# KiCad board Computer Board V2.1.kicad_pcb (continued)
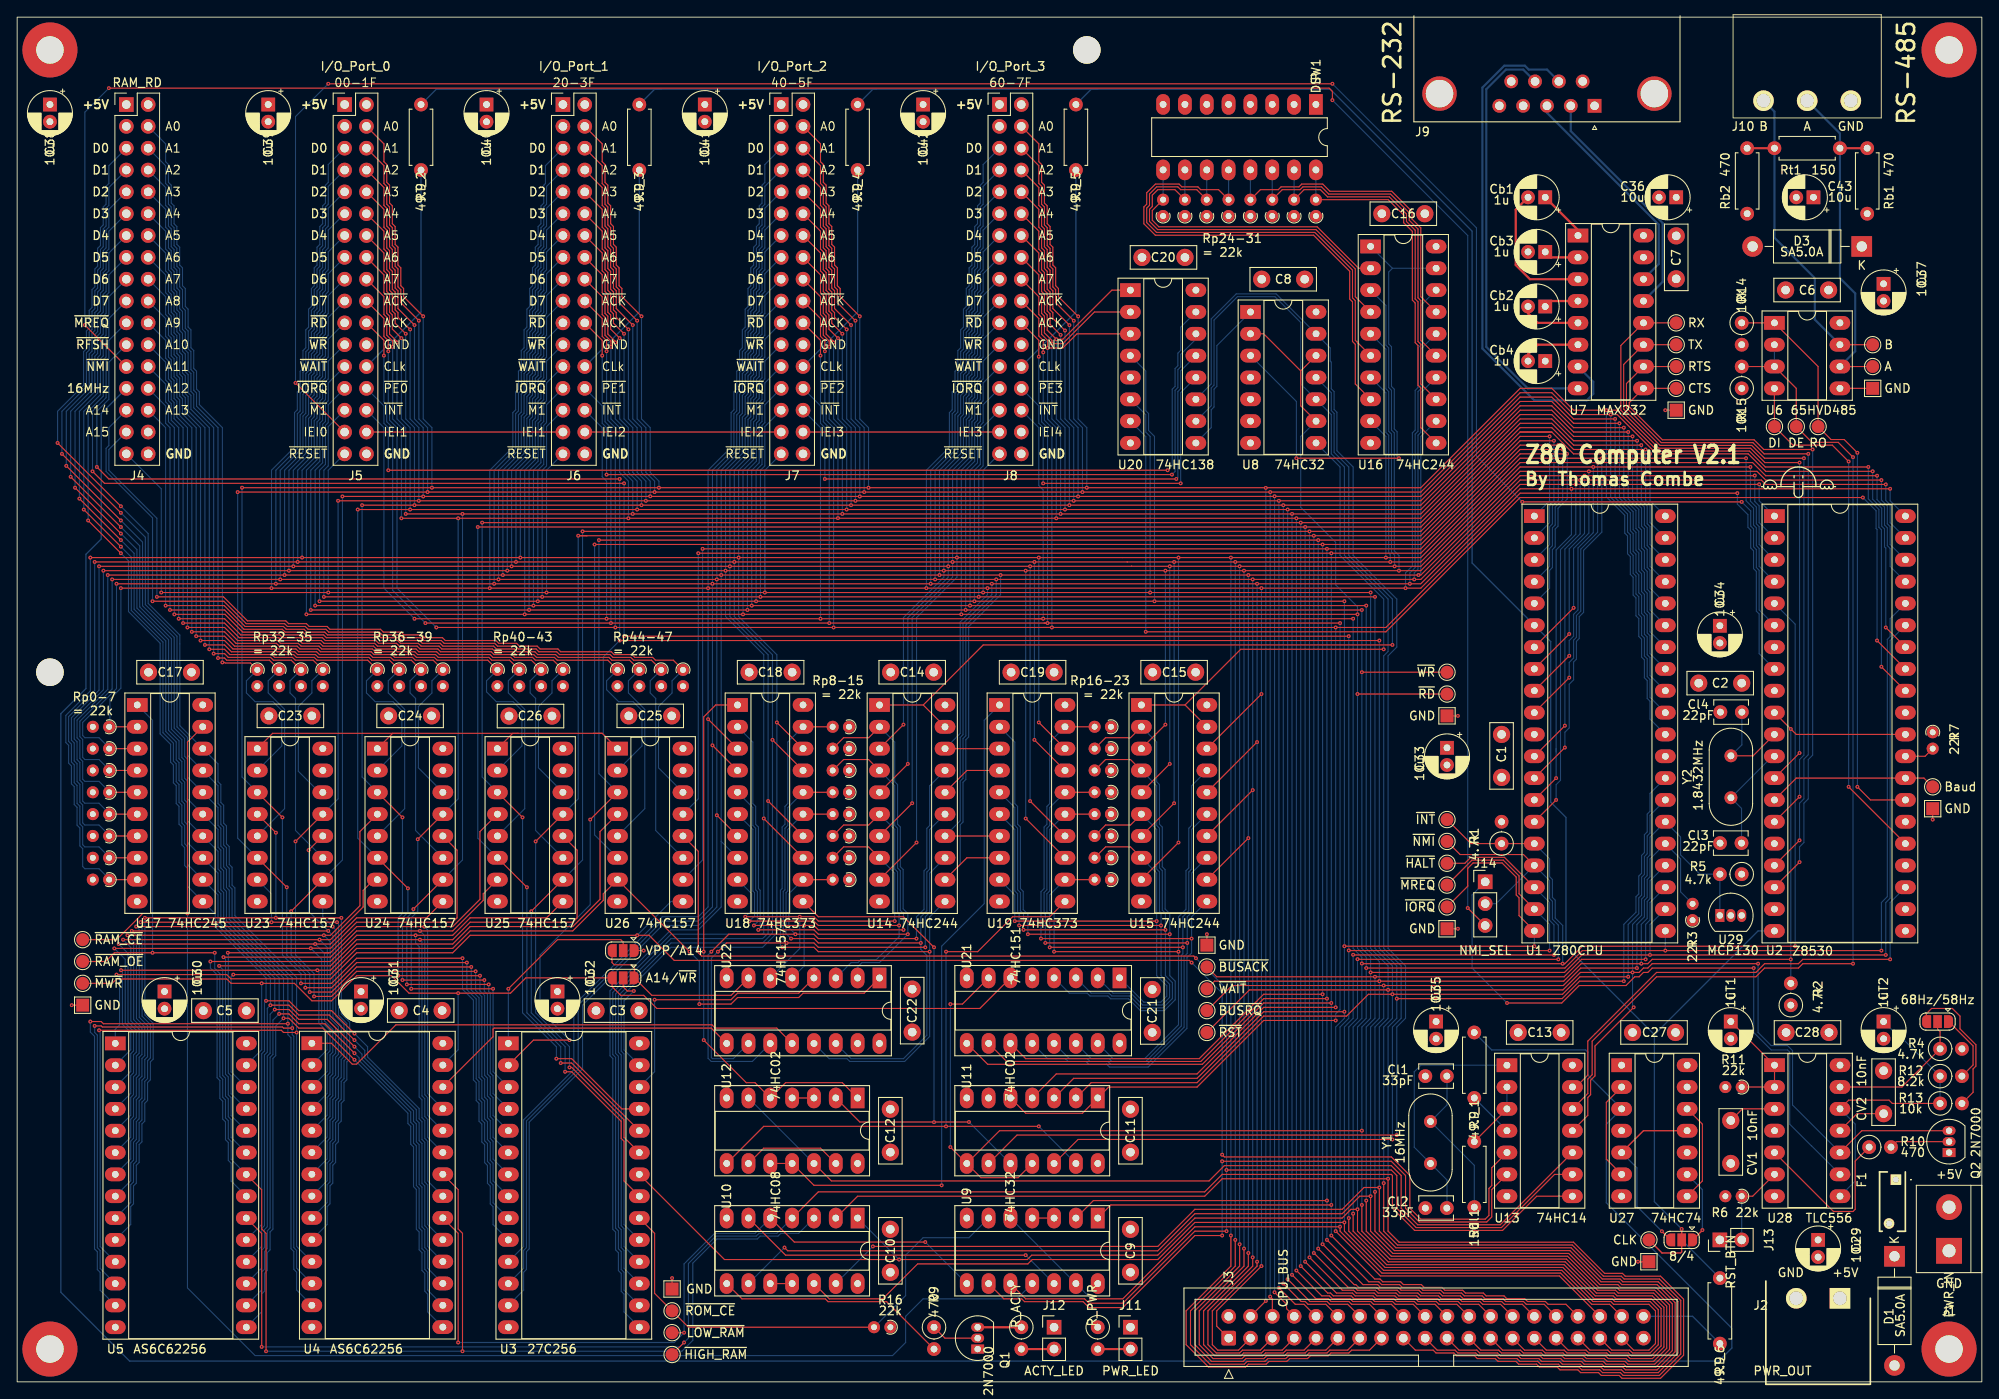
[diagram p0: board, top side]
## Routing (per net, layer and track width the routed paths; a pad name or vN(x,y) marks a point on that pad's centre or on a via; arc(x,y) is an arc through that point) (continued)
/RAM_D5: length 175.3
  Top w0.127: v1(12.07,97.92) v1(7.24,102.74) ; v1(29.97,43.31) 31.62,43.31 32.77,42.16 36.07,42.16 v1(39.24,38.99)
  Bottom w0.127: v1(7.24,102.74) 7.24,112.9 9.36,115.02 9.36,119.16 9.69,119.49 9.69,121.56 10.01,121.89 10.01,123.97 10.34,124.3 10.34,126.37 10.67,126.7 10.67,128.78 J4.15 ; v1(12.07,97.92) 13.6,96.38 13.6,89.87 17.29,86.19 17.29,75.65 18.5,74.43 18.5,72.36 18.83,72.03 18.83,69.95 19.16,69.62 19.16,67.55 19.49,67.22 19.49,65.14 19.81,64.82 19.81,62.74 U17.13 23.37,59.18 23.37,57.1 23.7,56.78 23.7,53.27 29.97,46.99 v1(29.97,43.31) 29.43,42.76 29.43,38.22 29.1,37.89 29.1,18.03 28.77,17.71 28.77,15.63 28.45,15.3 28.45,13.22 U5.17 ; v1(39.24,38.99) 40.12,38.11 40.12,37.51 46.12,31.52 46.12,30.32 46.44,29.99 46.44,27.92 46.77,27.59 46.77,22.97 47.1,22.64 47.1,18.03 47.43,17.7 47.43,15.62 47.75,15.3 47.75,13.22 U4.17
/RAM_D6: length 168
  Top w0.127: v1(29.46,43.81) 31.62,43.81 32.77,42.67 36.32,42.67 v1(39.24,39.75) ; v1(7.75,101.47) v1(12.07,97.15)
  Bottom w0.127: v1(7.75,101.47) 7.75,112.9 9.69,114.84 9.69,119.02 10.01,119.35 10.01,121.43 10.34,121.76 10.34,123.83 10.67,124.16 10.67,126.24 J4.17 ; v1(39.24,39.75) 40.45,38.55 40.45,37.65 46.44,31.65 46.44,30.46 46.77,30.13 46.77,28.05 47.1,27.72 47.1,23.11 47.43,22.78 47.43,18.16 47.75,17.84 47.75,15.76 U4.18 ; v1(12.07,97.15) 13.28,95.94 13.28,89.74 16.96,86.06 16.96,75.51 18.18,74.3 18.18,72.22 18.5,71.89 18.5,69.82 18.83,69.49 18.83,67.41 19.16,67.08 19.16,65.01 19.49,64.68 19.49,62.6 19.81,62.28 19.81,60.2 U17.12 23.37,56.64 23.37,53.09 29.46,46.99 v1(29.46,43.81) 29.1,43.45 29.1,38.35 28.77,38.03 28.77,18.17 28.45,17.84 28.45,15.76 U5.18
/RAM_D7: length 160.7
  Top w0.127: v1(39.24,40.51) 36.58,43.18 32.77,43.18 31.62,44.32 v1(28.96,44.32) ; v1(12.07,96.39) v1(8.26,100.2)
  Bottom w0.127: v1(12.07,96.39) 12.95,95.51 12.95,89.6 16.63,85.92 16.63,75.38 17.85,74.16 17.85,72.09 18.18,71.76 18.18,69.68 18.5,69.35 18.5,67.28 18.83,66.95 18.83,64.87 19.16,64.54 19.16,62.47 19.49,62.14 19.49,60.06 19.81,59.74 19.81,57.66 U17.11 23.04,54.43 23.04,52.91 28.96,46.99 v1(28.96,44.32) 28.77,44.14 28.77,38.49 28.45,38.16 28.45,18.3 U5.19 ; U4.19 47.75,18.3 47.75,22.92 47.43,23.24 47.43,27.86 47.1,28.19 47.1,30.26 46.77,30.59 46.77,31.79 40.77,37.79 40.77,38.98 v1(39.24,40.51) ; v1(8.26,100.2) 8.26,112.9 10.01,114.66 10.01,118.89 10.34,119.22 10.34,121.29 10.67,121.62 10.67,123.7 J4.19
/RESET: length 109.2
  Top w0.127: U13.10 172.56,18.27 162.96,18.27 161.04,20.19 161.04,24 159.89,25.15 140.46,25.15 138.68,23.37 94.74,23.37 U12.12
  Bottom w0.127: U12.12 U12.6
/RO: length 68.9
  Top w0.127: R14.1 U6.1 209.55,118.11 TP34.1 211.06,109.62 212.58,109.62 v1(214.12,108.08) ; v1(214.12,69.22) 215.65,67.69 U2.27
  Bottom w0.127: v1(214.12,69.22) v1(214.12,108.08)
/ROM_A13: length 30.5
  Top w0.127: v1(74.17,44.45) 83.06,44.45 83.82,45.21 90.94,45.21 U22.4
  Bottom w0.127: U3.26 74.17,36.07 v1(74.17,44.45)
/ROM_A14: length 20.4
  Top w0.127: JP2.3 69.22,48.77 69.47,48.51 71.5,48.51 71.81,48.2 71.81,46.99 73.85,44.96 83.07,44.96 U22.7
/RTS_232: length 60.7
  Bottom w0.254: J9.7 178.01,152.65 175.88,152.65 175.43,153.11 173.04,153.11 170.49,150.56 170.49,120.21 176.52,114.17 182.63,114.17 183.39,114.93 183.39,116.33 U7.7
/RX: length 76.3
  Top w0.127: U2.13 v1(207.39,73.15) ; TP6.1 U7.12 186.6,120.56 186.6,113.03 191.02,108.6 201.69,108.6 203.36,106.93 v1(207.39,106.93)
  Bottom w0.127: v1(207.39,106.93) v1(207.39,73.15)
/Sync_~{NMI}: length 282.5
  Top w0.127: v1(10.67,150.5) 152.65,150.5 153.03,150.11 v1(153.03,149.1) ; v1(168.78,55.12) J14.3 ; J4.25 v1(7.87,122.94)
  Bottom w0.127: v1(153.03,149.1) 168.78,133.35 v1(168.78,55.12) ; v1(7.87,122.94) 7.87,147.7 v1(10.67,150.5)
/TX: length 79.3
  Top w0.127: U2.15 v1(207.39,68.07) ; v1(207.9,107.44) 203.32,107.44 201.83,108.93 191.16,108.93 186.93,113.17 186.93,118.34 U7.11 TP5.1
  Bottom w0.127: v1(207.9,107.44) 207.9,72.9 207.39,72.39 v1(207.39,68.07)
/Vid_A0: length 86.7
  Top w0.127: Rp_32.1 27.14,83.62 24.2,83.62 24.13,83.69 v1(23.88,83.69)
  Bottom w0.127: U23.2 30.79,73.97 30.79,78.1 29.76,79.12 27.69,79.12 26.67,80.14 26.67,81.55 Rp_32.1 ; v1(23.88,83.69) 23.88,111 21.2,113.68 21.2,115.16 20.87,115.49 20.87,117.57 20.54,117.89 20.54,119.97 20.21,120.3 20.21,122.38 19.89,122.7 19.89,124.78 19.56,125.11 19.56,127.19 19.23,127.51 19.23,129.59 18.91,129.92 18.91,132 18.58,132.32 18.58,134.4 18.25,134.73 18.25,136.8 17.93,137.13 17.93,139.21 17.6,139.54 17.6,141.61 17.27,141.94 17.27,144.02 J4.4
/Vid_A1: length 92.3
  Top w0.127: Rp_33.1 29.35,83.95 24.38,83.95 24.13,84.2 v1(23.37,84.2)
  Bottom w0.127: U23.5 31.12,66.67 31.12,78.23 29.21,80.14 29.21,81.55 Rp_33.1 ; v1(23.37,84.2) 23.37,111 20.87,113.5 20.87,115.03 20.54,115.35 20.54,117.43 20.21,117.76 20.21,119.84 19.89,120.16 19.89,122.24 19.56,122.57 19.56,124.65 19.23,124.97 19.23,127.05 18.91,127.38 18.91,129.46 18.58,129.78 18.58,131.86 18.25,132.19 18.25,134.26 17.93,134.59 17.93,136.67 17.6,137 17.6,139.07 17.27,139.4 17.27,141.48 J4.6
/Vid_A2: length 94.3
  Top w0.127: v1(22.86,84.71) 24.13,84.71 24.57,84.27 29.49,84.27 29.82,83.95 31.89,83.95 Rp_34.1
  Bottom w0.127: U23.11 32.38,64.13 32.38,79.5 31.75,80.14 31.75,81.55 Rp_34.1 ; v1(22.86,84.71) 22.86,111 20.54,113.32 20.54,114.89 20.21,115.22 20.21,117.3 19.89,117.62 19.89,119.7 19.56,120.03 19.56,122.11 19.23,122.43 19.23,124.51 18.91,124.84 18.91,126.92 18.58,127.24 18.58,129.32 18.25,129.65 18.25,131.72 17.93,132.05 17.93,134.13 17.6,134.46 17.6,136.53 17.27,136.86 17.27,138.94 J4.8
/Vid_A3: length 86.8
  Top w0.127: Rp_35.1 34.43,83.95 32.36,83.95 32.03,84.27 29.95,84.27 29.62,84.6 24.75,84.6 24.13,85.22 v1(22.35,85.22)
  Bottom w0.127: Rp_35.1 34.29,81.55 34.29,80.14 32.71,78.56 32.71,71.03 35.16,68.58 ; v1(22.35,85.22) 22.35,111 20.21,113.13 20.21,114.76 19.89,115.08 19.89,117.16 19.56,117.49 19.56,119.57 19.23,119.89 19.23,121.97 18.91,122.3 18.91,124.38 18.58,124.7 18.58,126.78 18.25,127.11 18.25,129.18 17.93,129.51 17.93,131.59 17.6,131.92 17.6,133.99 17.27,134.32 17.27,136.4 J4.10
/Vid_A4: length 90.5
  Top w0.127: v1(21.84,85.72) 24.13,85.72 24.93,84.93 29.76,84.93 30.09,84.6 32.16,84.6 32.49,84.27 34.57,84.27 34.9,83.95 40.78,83.95 Rp_36.1
  Bottom w0.127: U24.2 44.76,73.97 44.76,78.1 43.73,79.12 41.66,79.12 40.64,80.14 40.64,81.55 Rp_36.1 ; v1(21.84,85.72) 21.84,111 19.89,112.95 19.89,114.62 19.56,114.95 19.56,117.03 19.23,117.35 19.23,119.43 18.91,119.76 18.91,121.84 18.58,122.16 18.58,124.24 18.25,124.57 18.25,126.64 17.93,126.97 17.93,129.05 17.6,129.38 17.6,131.45 17.27,131.78 17.27,133.86 J4.12
/Vid_A5: length 96.1
  Top w0.127: Rp_37.1 43.32,83.95 41.25,83.95 40.92,84.27 35.03,84.27 34.7,84.6 32.63,84.6 32.3,84.93 30.22,84.93 29.89,85.25 25.11,85.25 24.13,86.23 v1(21.34,86.23)
  Bottom w0.127: J4.14 17.27,131.32 17.27,129.24 17.6,128.91 17.6,126.84 17.93,126.51 17.93,124.43 18.25,124.1 18.25,122.03 18.58,121.7 18.58,119.62 18.91,119.3 18.91,117.22 19.23,116.89 19.23,114.81 19.56,114.49 19.56,112.77 21.34,111 v1(21.34,86.23) ; Rp_37.1 43.18,81.55 43.18,80.14 45.09,78.23 45.09,66.67 U24.5
/Vid_A6: length 98.1
  Top w0.127: v1(20.83,86.74) 24.13,86.74 25.29,85.58 30.03,85.58 30.36,85.25 32.43,85.25 32.76,84.93 34.84,84.93 35.17,84.6 41.05,84.6 41.38,84.27 43.46,84.27 43.79,83.95 45.86,83.95 Rp_38.1
  Bottom w0.127: J4.16 17.27,128.78 17.27,126.7 17.6,126.37 17.6,124.3 17.93,123.97 17.93,121.89 18.25,121.56 18.25,119.49 18.58,119.16 18.58,117.08 18.91,116.76 18.91,114.68 19.23,114.35 19.23,112.59 20.83,111 v1(20.83,86.74) ; U24.11 46.35,64.13 46.35,79.5 45.72,80.14 45.72,81.55 Rp_38.1
/Vid_A7: length 90.8
  Top w0.127: Rp_39.1 48.4,83.95 46.33,83.95 46,84.27 43.92,84.27 43.59,84.6 41.52,84.6 41.19,84.93 35.3,84.93 34.97,85.25 32.9,85.25 32.57,85.58 30.49,85.58 30.17,85.91 25.47,85.91 24.13,87.25 v1(20.32,87.25)
  Bottom w0.127: v1(20.32,87.25) 20.32,111 18.91,112.41 18.91,114.22 18.58,114.54 18.58,116.62 18.25,116.95 18.25,119.02 17.93,119.35 17.93,121.43 17.6,121.76 17.6,123.83 17.27,124.16 17.27,126.24 J4.18 ; Rp_39.1 48.26,81.55 48.26,80.14 46.68,78.56 46.68,71.43 U24.14
/Vid_A8: length 94.2
  Top w0.127: v1(19.81,87.76) 24.13,87.76 25.65,86.24 30.3,86.24 30.63,85.91 32.71,85.91 33.03,85.58 35.11,85.58 35.44,85.25 41.32,85.25 41.65,84.93 43.73,84.93 44.06,84.6 46.13,84.6 46.46,84.27 48.54,84.27 48.87,83.95 54.75,83.95 Rp_40.1
  Bottom w0.127: J4.20 17.27,123.7 17.27,121.62 17.6,121.29 17.6,119.22 17.93,118.89 17.93,116.81 18.25,116.48 18.25,114.41 18.58,114.08 18.58,112.23 19.81,111 v1(19.81,87.76) ; Rp_40.1 54.61,81.55 54.61,80.26 55.75,79.12 57.7,79.12 58.73,78.1 58.73,73.97 U25.2
/Vid_A9: length 99.9
  Top w0.127: Rp_41.1 57.29,83.95 55.22,83.95 54.89,84.27 49,84.27 48.67,84.6 46.6,84.6 46.27,84.93 44.19,84.93 43.86,85.25 41.79,85.25 41.46,85.58 35.57,85.58 35.25,85.91 33.17,85.91 32.84,86.24 30.76,86.24 30.44,86.56 25.83,86.56 24.13,88.26 v1(19.3,88.26)
  Bottom w0.127: J4.22 17.27,121.16 17.27,119.08 17.6,118.75 17.6,116.68 17.93,116.35 17.93,114.27 18.25,113.94 18.25,112.05 19.3,111 v1(19.3,88.26) ; Rp_41.1 57.15,81.55 57.15,80.14 59.05,78.23 59.05,66.67 U25.5
/Vid_A10: length 101.9
  Top w0.127: Rp_42.1 59.83,83.95 57.76,83.95 57.43,84.27 55.35,84.27 55.02,84.6 49.14,84.6 48.81,84.93 46.73,84.93 46.4,85.25 44.33,85.25 44,85.58 41.92,85.58 41.6,85.91 35.71,85.91 35.38,86.24 33.3,86.24 32.98,86.56 30.9,86.56 30.57,86.89 26.01,86.89 24.13,88.77 v1(18.8,88.77)
  Bottom w0.127: Rp_42.1 59.69,81.55 59.69,80.14 60.33,79.5 60.33,64.13 U25.11 ; v1(18.8,88.77) 18.8,111 17.93,111.87 17.93,113.81 17.6,114.14 17.6,116.21 17.27,116.54 17.27,118.62 J4.24
/Vid_A11: length 94.6
  Top w0.127: Rp_43.1 62.37,83.95 60.3,83.95 59.97,84.27 57.89,84.27 57.56,84.6 55.49,84.6 55.16,84.93 49.27,84.93 48.94,85.25 46.87,85.25 46.54,85.58 44.46,85.58 44.14,85.91 42.06,85.91 41.73,86.24 35.84,86.24 35.52,86.56 33.44,86.56 33.11,86.89 31.03,86.89 30.71,87.22 26.25,87.22 24.18,89.28 v1(18.29,89.28)
  Bottom w0.127: J4.26 17.27,116.08 17.27,114 17.6,113.67 17.6,111.69 18.29,111 v1(18.29,89.28) ; U25.14 60.65,71.43 60.65,78.56 62.23,80.14 62.23,81.55 Rp_43.1
/Vid_A12: length 97.9
  Top w0.127: Rp_44.1 68.72,83.95 62.84,83.95 62.51,84.27 60.43,84.27 60.1,84.6 58.03,84.6 57.7,84.93 55.62,84.93 55.29,85.25 49.41,85.25 49.08,85.58 47,85.58 46.68,85.91 44.6,85.91 44.27,86.24 42.19,86.24 41.87,86.56 35.98,86.56 35.65,86.89 33.57,86.89 33.25,87.22 31.17,87.22 30.84,87.54 26.38,87.54 24.14,89.79 v1(17.78,89.79)
  Bottom w0.127: Rp_44.1 68.58,81.55 68.58,80.52 69.98,79.12 71.67,79.12 72.7,78.1 72.7,73.97 U26.2 ; v1(17.78,89.79) 17.78,111 17.27,111.51 17.27,113.54 J4.28
/Vid_A13: length 103.7
  Top w0.127: v1(17.27,90.3) 24.09,90.3 26.52,87.87 30.98,87.87 31.31,87.54 33.38,87.54 33.71,87.22 35.79,87.22 36.11,86.89 42,86.89 42.33,86.56 44.41,86.56 44.73,86.24 46.81,86.24 47.14,85.91 49.22,85.91 49.54,85.58 55.43,85.58 55.76,85.25 57.83,85.25 58.16,84.93 60.24,84.93 60.57,84.6 62.64,84.6 62.97,84.27 68.86,84.27 69.19,83.95 71.26,83.95 Rp_45.1
  Bottom w0.127: J4.30 17.27,111 v1(17.27,90.3) ; Rp_45.1 71.12,81.55 71.12,80.14 73.03,78.23 73.03,66.67 U26.5
/Vid_A14: length 111.9
  Top w0.127: Rp_46.1 73.8,83.95 71.73,83.95 71.4,84.27 69.32,84.27 68.99,84.6 63.11,84.6 62.78,84.93 60.7,84.93 60.37,85.25 58.3,85.25 57.97,85.58 55.89,85.58 55.57,85.91 49.68,85.91 49.35,86.24 47.27,86.24 46.95,86.56 44.87,86.56 44.54,86.89 42.46,86.89 42.14,87.22 36.25,87.22 35.92,87.54 33.85,87.54 33.52,87.87 31.44,87.87 31.11,88.2 26.65,88.2 24.05,90.8 v1(15.75,90.8)
  Bottom w0.127: v1(15.75,90.8) 15.75,100.5 10.34,105.91 10.34,108.59 10.67,108.92 10.67,111 J4.29 ; U26.11 74.3,64.13 74.3,79.5 73.66,80.14 73.66,81.55 Rp_46.1
/Vid_A15: length 103.7
  Top w0.127: Rp_47.1 76.34,83.95 74.27,83.95 73.94,84.27 71.86,84.27 71.53,84.6 69.46,84.6 69.13,84.93 63.24,84.93 62.91,85.25 60.84,85.25 60.51,85.58 58.43,85.58 58.11,85.91 56.03,85.91 55.7,86.24 49.81,86.24 49.49,86.56 47.41,86.56 47.08,86.89 45,86.89 44.68,87.22 42.6,87.22 42.27,87.54 36.39,87.54 36.06,87.87 33.98,87.87 33.65,88.2 31.58,88.2 31.25,88.53 26.79,88.53 24,91.31 v1(16.26,91.31)
  Bottom w0.127: U26.14 74.62,71.43 74.62,78.56 76.2,80.14 76.2,81.55 Rp_47.1 ; v1(16.26,91.31) 16.26,100.46 10.67,106.04 10.67,108.46 J4.31
/VPP/A14: length 23.2
  Top w0.127: v1(57.15,45.72) 62.87,51.44 70.23,51.44 70.52,51.15 JP2.2
  Bottom w0.127: v1(57.15,45.72) U3.1
/~{4MHz}: length 11.6
  Top w0.127: U27.8 196.09,23.37 196.09,29.97 U27.12
/~{8MHz}: length 11.6
  Top w0.127: U27.6 184.91,25.91 184.91,32.51 U27.2
/~{ACK}: length 424.7
  Top w0.127: v1(153.42,43.56) 145.03,43.56 137.29,35.81 120.9,35.81 U11.4 ; J7.20 93.47,123.7 93.47,121.62 93.98,121.11 v1(93.98,119.89) ; v1(120.4,87.76) 119.38,87.76 ; 119.38,87.76 v1(153.42,87.76) 159.26,87.76 174.88,103.38 v1(200.15,103.38) ; 119.38,87.76 v1(48.77,87.76) ; v1(43.18,119.89) 43.18,121.11 42.67,121.62 42.67,123.7 J5.20 ; J8.20 118.87,123.7 118.87,121.67 119.39,121.15 v1(119.39,119.76) ; v1(68.58,119.89) 68.58,121.11 68.07,121.62 68.07,123.7 J6.20
  Bottom w0.127: v1(93.98,119.89) 93.98,113.95 94.13,113.81 94.13,111.87 95,111 v1(95,87.76) ; v1(119.39,119.76) 119.39,113.95 119.53,113.81 119.53,111.87 120.4,111 v1(120.4,87.76) ; v1(153.42,87.76) v1(153.42,43.56) ; v1(200.15,103.38) 200.15,102.11 201.38,100.88 201.38,99.41 201.71,99.08 201.71,97 202.04,96.68 202.04,94.6 202.37,94.27 202.37,89.65 202.69,89.33 202.69,84.71 204.47,82.93 ; v1(69.6,87.76) 69.6,111 68.73,111.87 68.73,113.81 68.58,113.95 v1(68.58,119.89) ; v1(48.77,87.76) 44.2,92.33 44.2,111 43.33,111.87 43.33,113.81 43.18,113.95 v1(43.18,119.89)
/~{BankSW_RD}: length 101
  Top w0.127: 105.42,78.73 112.41,85.72 v1(160.02,85.72) ; 105.42,78.73 U14.1 ; 105.42,78.73 U14.19
  Bottom w0.127: U8.11 152.91,115.06 152.91,112.98 153.24,112.66 153.24,108.13 154.94,106.43 154.94,96.14 160.02,91.06 v1(160.02,85.72)
/~{BankSW}: length 173.1
  Top w0.127: U11.9 116.33,28.7 v1(160.53,28.7)
  Bottom w0.127: v1(160.53,28.7) 160.53,41.28 161.54,42.29 161.54,48.39 159.51,50.42 159.51,84.45 160.53,85.47 160.53,91.06 155.45,96.14 155.45,106.43 153.56,108.31 153.56,112.79 153.24,113.12 153.24,115.2 152.91,115.52 152.91,118.62 152.78,118.74 152.78,120.27 U8.13 146.49,126.56 141.85,126.56 138.94,123.65 138.94,116.08 U20.11
/~{BUSACK}: length 156
  Top w0.127: v1(156.97,21.08) 156.97,17.53 159.89,14.61 180.4,14.61 184.03,10.98 186.11,10.98 186.43,10.65 190.54,10.65 192.26,8.93 192.26,3.77 190.54,2.05 187.41,2.05 187.08,2.38 185.01,2.38 184.68,2.7 182.6,2.7 182.27,3.03 180.2,3.03 179.87,3.36 177.79,3.36 177.46,3.68 175.39,3.68 J3.27 ; v1(189.48,49.15) 182.03,49.15 179.99,47.12 v1(157.99,47.12) 139.57,47.12 TP12.1
  Bottom w0.127: v1(157.99,47.12) 157.99,42.29 156.97,41.28 v1(156.97,21.08) ; v1(189.48,49.15) 189.48,53.21 189.99,53.72 189.99,55.75 U1.23
/~{BUSRQ}: length 175.7
  Top w0.127: TP11.1 141.35,46.1 v1(159,46.1) 179.9,46.1 181.94,48.13 v1(188.47,48.13) ; J3.23 170.31,3.68 172.38,3.68 172.71,3.36 174.79,3.36 175.12,3.03 177.19,3.03 177.52,2.7 179.6,2.7 179.93,2.38 182,2.38 182.33,2.05 184.41,2.05 184.73,1.72 186.81,1.72 187.14,1.39 190.81,1.39 192.92,3.5 192.92,9.2 190.81,11.31 186.7,11.31 186.38,11.63 184.3,11.63 180.67,15.26 160.25,15.26 157.99,17.53 v1(157.99,22.1)
  Bottom w0.127: R3.2 193.55,57 193.55,60.84 U1.25 189.99,60.83 189.99,58.75 189.67,58.42 189.67,56.35 189.34,56.02 189.34,54.08 188.47,53.21 v1(188.47,48.13) ; v1(157.99,22.1) 157.99,41.28 159,42.29 v1(159,46.1)
/~{CPU_RAM_CE}: length 186.3
  Top w0.127: U17.19 19.81,74.42 v1(19.81,54.48) 14.6,54.48 11.56,51.44 TP17.1
  Bottom w0.127: U9.11 116.33,9.65 105.41,9.65 103.38,7.62 103.38,4.57 101.85,3.05 27.69,3.05 19.81,10.92 v1(19.81,54.48)
/~{CTSA}: length 82.8
  Top w0.127: v1(208.91,108.46) 203.23,108.46 202.1,109.58 191.43,109.58 187.58,113.44 187.58,113.92 U7.9 TP3.1 ; U2.18 v1(207.39,60.45)
  Bottom w0.127: v1(207.39,60.45) 207.39,62.23 207.9,62.74 207.9,67.31 208.41,67.82 208.41,72.39 208.91,72.9 v1(208.91,108.46)
/~{DIP_RD}: length 57.5
  Top w0.127: v1(148.84,107.44) v1(160.78,107.44)
  Bottom w0.127: 160.02,129.54 159.59,129.1 159.59,120.74 159.91,120.41 159.91,115.8 160.24,115.47 160.24,110.85 160.57,110.52 160.57,107.66 v1(160.78,107.44) ; 160.02,129.54 U16.1 ; 160.02,129.54 U16.19 ; U8.3 148.84,114.05 v1(148.84,107.44)
/~{DIP}: length 17.9
  Bottom w0.127: U20.9 138.94,111 138.94,113.08 139.27,113.41 139.27,115.49 139.59,115.81 139.59,120.54 U8.1
/~{ESCC}: length 137.1
  Top w0.127: v1(131.32,87.25) 159.26,87.25 174.88,102.87 v1(214.76,102.87) ; 219.71,82.93 v1(216.41,86.23)
  Bottom w0.127: v1(131.32,87.25) 131.32,109.97 U20.7 ; v1(214.76,102.87) 216.3,101.33 216.3,99.27 216.41,99.16 v1(216.41,86.23)
/~{HALT}: length 191.5
  Top w0.127: v1(178.82,49.66) 155.47,49.66 v1(155.45,49.68) ; TP13.1 168.45,60.32 169.14,61.01 173.05,61.01 U1.18 ; J3.37 188.09,3.68 189.87,3.68 190.63,4.44 190.63,8.25 189.87,9.02 185.76,9.02 185.43,9.34 183.35,9.34 179.72,12.97 158.99,12.97 154.43,17.53 v1(154.43,18.54) 137.03,18.54 132.72,14.22 118.11,14.22 117.6,13.72 104.78,13.72 100.71,9.65 94.49,9.65 U10.12
  Bottom w0.127: v1(154.43,18.54) 154.43,41.28 155.45,42.29 v1(155.45,49.68) ; v1(178.82,49.66) 178.82,53.17 178.31,53.68 178.31,55.76 U1.18
/~{HIGH_RAM_CE}: length 190.2
  Top w0.127: v1(77.6,4.57) TP24.1 ; U5.20 28.45,17.26 v1(28.45,4.06) ; U10.4 93.22,22.1 138.18,22.1 140.21,24.13 159.89,24.13 160.02,24 160.02,20.19 162.6,17.61 172.83,17.61 176.81,21.59 U13.8
  Bottom w0.127: U10.4 88.39,17.27 86.31,17.27 85.99,16.94 81.29,16.94 78.11,13.76 78.11,5.08 v1(77.6,4.57) 77.09,4.06 v1(28.45,4.06)
/~{INT}: length 458.2
  Top w0.127: U1.16 R1.1 169.16,62.61 TP9.1 ; v1(155.45,88.77) 118.49,88.77 ; 118.49,88.77 v1(46.23,88.77) ; 118.49,88.77 v1(119.38,88.77) ; J3.33 183.01,3.68 185.08,3.68 185.41,3.36 187.49,3.36 187.82,3.03 190.14,3.03 191.28,4.17 191.28,8.53 190.14,9.67 186.03,9.67 185.7,10 183.62,10 179.99,13.63 159.35,13.63 155.45,17.53 v1(155.45,19.56) ; v1(156.46,48.66) 156.48,48.64 v1(179.83,48.64) 180.09,48.64 182.12,50.67 v1(206.88,50.67)
  Bottom w0.127: J5.30 42.67,111 42.67,92.33 v1(46.23,88.77) ; v1(93.47,88.77) 93.47,111 J7.30 ; v1(206.88,50.67) 206.88,88.14 U2.5 ; v1(155.45,88.77) 155.45,50.42 156.46,49.4 v1(156.46,48.66) 156.46,42.29 155.45,41.28 v1(155.45,19.56) ; J8.30 118.87,111 118.87,104.27 119.38,103.76 v1(119.38,88.77) ; U1.16 178.31,60.84 178.31,58.76 178.64,58.43 178.64,56.36 178.96,56.03 178.96,53.95 179.83,53.08 v1(179.83,48.64) ; v1(68.58,88.77) 68.58,104.77 68.09,105.26 68.09,105.28 68.07,105.3 68.07,111 J6.30
/~{IORQ}: length 442.5
  Top w0.127: U11.3 122.94,35.31 137.29,35.31 145.03,43.05 v1(154.43,43.05) ; TP29.1 168.78,57.66 168.78,59.74 169.41,60.36 172.78,60.36 174.43,58.72 174.43,56.64 174.75,56.31 174.75,54.23 U1.20 ; v1(154.43,50.67) v1(176.53,50.67) ; v1(35.18,90.8) v1(85.98,90.8) v1(111.38,90.8) v1(154.43,90.8) ; J3.36 179.45,12.32 158.62,12.32 v1(153.42,17.53)
  Bottom w0.127: J7.27 87,113.66 87,111.59 86.67,111.26 86.67,106.73 85.98,106.04 v1(85.98,90.8) ; v1(132.33,90.8) 132.33,109.98 131.65,110.67 131.65,112.64 131.32,112.97 131.32,117.59 U20.4 ; J6.27 61.6,113.66 61.6,111.59 61.27,111.26 61.27,106.73 60.58,106.04 v1(60.58,90.8) ; v1(154.43,90.8) v1(154.43,50.67) v1(154.43,43.05) 154.43,42.29 153.42,41.28 v1(153.42,17.53) ; v1(111.38,90.8) 111.38,106.04 112.07,106.73 112.07,111.26 112.4,111.59 112.4,113.66 J8.27 ; v1(35.18,90.8) 35.18,106.04 35.87,106.73 35.87,111.26 36.2,111.59 36.2,113.66 J5.27 ; v1(176.53,50.67) U1.20
/~{LOW_RAM_CE}: length 89.7
  Top w0.127: v1(77.6,5.72) TP23.1 ; v1(51.31,4.57) 51.31,17.28 U4.20 ; U10.5 90.42,16.26 v1(105.66,16.26)
  Bottom w0.127: v1(51.31,4.57) 76.45,4.57 v1(77.6,5.72) 77.6,13.72 81.15,17.27 85.85,17.27 U10.5 ; v1(105.66,16.26) U9.8
/~{M1}: length 457.4
  Top w0.127: J3.19 165.23,3.68 167.3,3.68 167.63,3.36 169.71,3.36 170.04,3.03 172.11,3.03 172.44,2.7 174.52,2.7 174.85,2.38 176.92,2.38 177.25,2.05 179.33,2.05 179.65,1.72 181.73,1.72 182.06,1.39 184.14,1.39 184.46,1.07 186.54,1.07 186.87,0.74 191.08,0.74 193.57,3.23 193.57,9.47 191.08,11.96 186.97,11.96 186.65,12.29 184.57,12.29 180.94,15.92 160.61,15.92 159,17.53 v1(159,23.11) ; U11.2 124.97,34.8 137.29,34.8 145.03,42.54 154.69,42.54 157.23,45.08 v1(160.02,45.08) 179.81,45.08 181.84,47.12 v1(187.45,47.12) ; v1(157.99,91.31) v1(111.89,91.31) v1(61.09,91.31) v1(35.69,91.31)
  Bottom w0.127: U1.27 189.99,65.91 189.99,63.83 189.67,63.5 189.67,61.43 189.34,61.1 189.34,59.02 189.01,58.69 189.01,56.62 188.68,56.29 188.68,54.44 187.45,53.21 v1(187.45,47.12) ; v1(157.99,91.31) 157.99,50.42 160.02,48.39 v1(160.02,45.08) 160.02,42.29 159,41.28 v1(159,23.11) ; v1(111.89,91.31) 111.89,106.04 112.4,106.55 112.4,111.12 J8.29 ; J5.29 36.2,111.12 36.2,106.55 35.69,106.04 v1(35.69,91.31) ; J7.29 87,111.12 87,106.55 86.49,106.04 v1(86.49,91.31) ; v1(61.09,91.31) 61.09,106.04 61.6,106.55 61.6,111.12 J6.29
/~{MREQ}: length 379.5
  Top w0.127: 176.53,54.99 174.75,56.77 174.75,58.85 172.92,60.69 169.27,60.69 TP28.1 ; v1(70.61,86.74) v1(154.94,86.74) ; v1(70.61,104.52) 10.16,104.52 v1(8.76,105.92) ; J3.38 185.29,9.02 183.22,9.02 179.59,12.65 158.8,12.65 153.92,17.53 v1(153.92,18.03) 137.03,18.03 128.65,9.65 v1(124.97,9.65) ; v1(154.94,50.19) 154.96,50.16 v1(178.31,50.16)
  Bottom w0.127: 176.53,54.99 178.31,53.22 v1(178.31,50.16) ; v1(8.76,105.92) 8.76,112.9 10.34,114.48 10.34,118.75 10.67,119.08 10.67,121.16 J4.21 ; v1(153.92,18.03) 153.92,41.28 154.94,42.29 v1(154.94,50.19) v1(154.94,86.74) ; v1(70.61,104.52) v1(70.61,86.74) ; U9.5 U9.13 v1(124.97,9.65)
/~{MWR}: length 134.9
  Top w0.127: U21.6 112.01,43.43 74.42,43.43 72.9,44.96 70.23,44.96 69.22,45.97 JP3.3 59.18,46.99 57.4,45.21 v1(51.31,45.21) 45.59,45.21 43.56,47.24 39.5,47.24 36.58,44.32 34.29,44.32 32.26,46.35 v1(28.45,46.35) 24.89,46.35 24.38,46.86 11.56,46.86 11.05,46.35 TP20.1
  Bottom w0.127: U4.27 51.31,38.63 v1(51.31,45.21) ; U5.27 28.45,38.62 v1(28.45,46.35)
/~{PE0}: length 121
  Top w0.127: v1(133.86,106.04) v1(43.18,106.04)
  Bottom w0.127: v1(43.18,106.04) 43.18,111 42.67,111.51 42.67,113.54 J5.28 ; v1(133.86,106.04) 134.4,106.59 134.4,115.47 134.73,115.8 134.73,117.88 135.06,118.2 135.06,119.66 135.38,119.99 135.38,122.69 U20.15
/~{PE1}: length 93.8
  Top w0.127: v1(134.37,105.54) v1(68.58,105.54)
  Bottom w0.127: v1(134.37,105.54) 134.73,105.9 134.73,115.34 135.06,115.66 135.06,117.74 135.38,118.07 135.38,119.53 137.15,121.3 ; v1(68.58,105.54) 68.58,111 68.07,111.51 68.07,113.54 J6.28
/~{PE2}: length 67.8
  Top w0.127: v1(134.87,105.03) v1(93.98,105.03)
  Bottom w0.127: U20.13 135.38,117.61 135.38,115.53 135.06,115.2 135.06,105.21 v1(134.87,105.03) ; J7.28 93.47,113.54 93.47,111.51 93.98,111 v1(93.98,105.03)
/~{PE3}: length 41.1
  Top w0.127: v1(135.38,104.52) v1(119.38,104.52)
  Bottom w0.127: U20.12 135.38,115.07 v1(135.38,104.52) ; J8.28 118.87,113.54 118.87,111.51 119.38,111 v1(119.38,104.52)
/~{Protect_RD}: length 61.7
  Top w0.127: U15.1 135.89,78.74 ; 135.89,78.74 142.37,85.22 v1(159,85.22) ; 135.89,78.74 U15.19
  Bottom w0.127: v1(159,85.22) 159,91.06 153.92,96.14 153.92,106.43 U8.8
/~{Protect}: length 166.3
  Top w0.127: U11.12 123.44,28.19 v1(160.02,28.19)
  Bottom w0.127: U20.10 138.94,113.54 138.94,115.62 139.27,115.95 139.27,123.52 141.99,126.24 146.35,126.24 149.35,123.24 149.35,116.08 U8.10 152.91,112.52 152.91,107.95 154.43,106.43 154.43,96.14 159.51,91.06 159.51,84.96 159,84.45 159,50.42 161.04,48.39 161.04,42.29 160.02,41.28 v1(160.02,28.19)
/~{RAM_A14}: length 82.9
  Top w0.127: U9.9 114.81,9.65 116.89,9.65 117.21,9.32 124.03,9.32 124.71,8.64 128.65,8.64 137.03,17.02 v1(140.21,17.02) ; U13.6 171.58,22.36 171.58,19.18 171,18.6 163.14,18.6 161.54,20.19 161.54,24 159.89,25.65 v1(140.21,25.65)
  Bottom w0.127: v1(140.21,25.65) v1(140.21,17.02)
/~{RAM_CE}: length 38.7
  Top w0.127: U10.6 89.41,14.73 v1(117.35,14.73)
  Bottom w0.127: U9.12 v1(117.35,14.73)
/~{RAM_OE}: length 191.2
  Top w0.127: U5.22 28.45,22.34 28.45,17.78 28.96,17.27 v1(28.96,3.56) ; TP18.1 10.29,48.89 11.3,49.91 v1(15.75,49.91) v1(22.99,49.91) ; U4.22 51.31,22.36 51.31,17.78 51.82,17.27 v1(51.82,3.56)
  Bottom w0.127: U10.3 90.93,17.27 88.85,17.27 88.53,16.94 86.45,16.94 86.12,16.62 81.42,16.62 78.61,13.81 78.61,4.83 77.34,3.56 v1(28.96,3.56) ; v1(15.75,49.91) 15.75,76.96 U17.1 ; v1(22.99,49.91) 22.99,48.09 23.58,47.49 23.58,35.51 23.91,35.18 23.91,33.11 24.24,32.78 24.24,30.7 24.57,30.38 24.57,28.3 24.89,27.97 24.89,25.89 U5.22
/~{RD}: length 650.5
  Top w0.127: 149.35,117.6 U8.12 ; 149.35,117.6 149.35,113.54 U8.9 ; 149.35,117.6 145.03,121.92 U8.2 ; v1(156.97,48.13) 180.09,48.13 182.12,50.16 v1(191.78,50.16) v1(216.92,50.16) ; v1(33.66,89.28) v1(84.46,89.28) v1(109.86,89.28) v1(155.96,89.28) ; v1(155.96,80.01) TP26.1 ; U3.22 82.3,14.22 v1(102.62,14.22) 117.54,14.22 118.05,14.73 132.72,14.73 137.03,19.05 154.18,19.05 155.19,20.07 v1(155.96,20.07) 155.96,17.53 159.53,13.95 180.13,13.95 183.76,10.32 185.83,10.32 186.16,10 190.27,10 191.61,8.66 191.61,4.04 190.27,2.7 187.68,2.7 187.35,3.03 185.28,3.03 184.95,3.36 182.87,3.36 182.54,3.68 180.47,3.68 J3.31
  Bottom w0.127: J8.21 112.4,121.28 112.4,119.21 112.07,118.88 112.07,116.8 111.74,116.48 111.74,114.4 111.41,114.07 111.41,111.99 111.09,111.67 111.09,107.28 109.86,106.04 v1(109.86,89.28) ; U2.36 217.93,88.77 217.93,86.7 217.6,86.37 217.6,56.44 216.92,55.75 v1(216.92,50.16) ; U10.1 v1(102.62,14.22) ; v1(155.96,20.07) 155.96,41.28 156.97,42.29 v1(156.97,48.13) 156.97,49.4 155.96,50.42 v1(155.96,80.01) v1(155.96,89.28) 155.96,90.17 153.42,92.71 153.42,97.66 149.35,101.73 149.35,109.98 U8.9 ; J5.21 36.2,121.28 36.2,119.21 35.87,118.88 35.87,116.8 35.54,116.48 35.54,114.4 35.21,114.07 35.21,111.99 34.89,111.67 34.89,107.28 33.66,106.04 v1(33.66,89.28) ; v1(84.46,89.28) 84.46,106.04 85.69,107.28 85.69,111.67 86.01,111.99 86.01,114.07 86.34,114.4 86.34,116.48 86.67,116.8 86.67,118.88 87,119.21 87,121.28 J7.21 ; J6.21 61.6,121.28 61.6,119.21 61.27,118.88 61.27,116.8 60.94,116.48 60.94,114.4 60.61,114.07 60.61,111.99 60.29,111.67 60.29,107.28 59.05,106.04 v1(59.05,89.28) ; v1(191.78,50.16) U1.21
/~{RESET}: length 642.5
  Top w0.127: v1(16.76,91.82) v1(36.2,91.82) v1(112.4,91.82) v1(131.83,91.82) v1(157.48,91.82) ; J3.21 167.77,3.68 169.84,3.68 170.17,3.36 172.25,3.36 172.58,3.03 174.65,3.03 174.98,2.7 177.06,2.7 177.39,2.38 179.46,2.38 179.79,2.05 181.87,2.05 182.19,1.72 184.27,1.72 184.6,1.39 186.68,1.39 187,1.07 190.95,1.07 193.24,3.36 193.24,9.34 190.95,11.63 186.84,11.63 186.51,11.96 184.43,11.96 180.81,15.59 160.43,15.59 158.5,17.53 v1(158.5,22.61) 156.72,22.61 154.18,20.07 137.03,20.07 132.72,15.75 v1(99.57,15.75) ; Q2.3 214.64,29.21 U28.10 ; TP8.1 143.38,45.59 v1(159.51,45.59) 179.86,45.59 181.89,47.62 v1(187.96,47.62) 188.72,47.62 189.23,48.13 189.74,48.13 190.25,48.64 v1(202.57,48.64) ; v1(188.09,43.56) 183.59,39.06 183.59,35.59 183.08,35.08 183.08,33.4 182.75,33.08 182.75,31 U13.11
  Bottom w0.127: v1(36.2,91.82) 36.2,106.04 J5.33 ; J6.33 61.6,106.04 v1(61.6,91.82) ; v1(112.4,91.82) 112.4,106.04 J8.33 ; v1(157.48,91.82) 157.48,50.42 159.51,48.39 v1(159.51,45.59) 159.51,42.29 158.5,41.28 v1(158.5,22.61) ; v1(131.83,91.82) 131.83,109.98 131.32,110.49 131.32,112.51 U20.6 ; J7.33 87,106.04 v1(87,91.82) 87,104.01 ; v1(202.57,48.64) 202.57,40.64 204.09,39.12 205.99,39.12 206.58,38.53 206.58,32.2 U28.10 ; v1(16.76,91.82) 16.76,103.89 J4.33 ; v1(188.09,43.56) 187.96,43.69 v1(187.96,47.62) 187.96,53.21 189.01,54.26 189.01,56.15 189.34,56.48 189.34,58.56 189.67,58.89 189.67,60.96 189.99,61.29 189.99,63.37 U1.26 193.55,63.38 193.55,61.3 195.79,59.05 R5.2 U29.1 ; U10.13 v1(99.57,15.75)
/~{RFSH}: length 518.1
  Top w0.127: 67.06,75.44 68.07,75.44 ; 67.06,75.44 58.29,75.44 ; 67.06,75.44 68.07,75.44 ; 58.29,75.44 44.58,75.44 ; 58.29,75.44 57.66,75.44 U25.1 ; 44.58,75.44 29.72,75.44 U23.1 ; 44.58,75.44 43.69,75.44 U24.1 ; U10.2 97.79,21.59 138.18,21.59 140.21,23.62 v1(159.51,23.62) 159.51,17.53 160.8,16.24 181.08,16.24 184.71,12.61 186.78,12.61 187.11,12.29 191.22,12.29 193.9,9.61 193.9,3.09 191.22,0.41 186.73,0.41 186.41,0.74 184.33,0.74 184,1.07 181.92,1.07 181.6,1.39 179.52,1.39 179.19,1.72 177.11,1.72 176.79,2.05 174.71,2.05 174.38,2.38 172.31,2.38 171.98,2.7 169.9,2.7 169.57,3.03 167.5,3.03 167.17,3.36 165.09,3.36 164.76,3.68 162.69,3.68 J3.17 ; v1(186.94,46.61) 181.8,46.61 179.77,44.58 v1(160.53,44.58) ; 68.07,75.44 U26.1 ; v1(70.1,86.23) v1(158.5,86.23) ; v1(70.1,105.03) 10.67,105.03 v1(9.27,106.43)
  Bottom w0.127: v1(186.94,46.61) 186.94,53.21 188.36,54.63 188.36,56.43 188.68,56.75 188.68,58.83 189.01,59.16 189.01,61.23 189.34,61.56 189.34,63.64 189.67,63.97 189.67,66.04 189.99,66.37 189.99,68.45 U1.28 ; J4.23 10.67,118.62 10.67,114.3 9.27,112.9 v1(9.27,106.43) ; v1(158.5,86.23) 158.5,50.42 160.53,48.39 v1(160.53,44.58) 160.53,42.29 159.51,41.28 v1(159.51,23.62) ; v1(70.1,105.03) v1(70.1,86.23) 68.2,84.33 68.2,75.31 U26.1
/~{ROM_CE}: length 58
  Top w0.127: R16.2 78.11,6.35 TP19.1 74.17,10.29 74.17,17.27 U3.20
  Bottom w0.127: R16.2 103.38,10.03 103.38,14.73 105.41,16.76 110.74,16.76 U9.6
/~{RSTB}: length 54.2
  Top w0.127: 181.37,34.29 182.75,35.68 182.75,39.63 183.63,40.51 183.64,40.51 190.75,47.62 202.31,47.62 203.33,48.64 207.26,48.64 207.77,49.15 v1(217.93,49.15)
  Bottom w0.127: U2.23 217.93,55.75 v1(217.93,49.15)
/~{RTSA}: length 82.3
  Top w0.127: U2.17 v1(207.39,62.99) ; v1(208.41,107.95) 203.27,107.95 201.96,109.26 191.3,109.26 187.25,113.3 187.25,116.13 U7.10 TP4.1
  Bottom w0.127: v1(207.39,62.99) 207.39,67.31 207.9,67.82 207.9,72.44 208.41,72.94 v1(208.41,107.95)
/~{RX_232}: length 28.1
  Bottom w0.254: U7.13 191.46,127.96 191.46,134.81 180.77,145.5 J9.2
/~{SYNCB}: length 3.5
  Top w0.127: U2.29 222,72.77 R7.2
/~{TX_232}: length 26.3
  Bottom w0.254: J9.3 178,147.63 191.01,134.62 191.01,130.05 U7.14
/~{WAIT}: length 585.2
  Top w0.127: v1(89.28,15.62) 89.66,15.24 132.72,15.24 137.03,19.56 154.18,19.56 156.21,21.59 v1(157.48,21.59) 157.48,17.53 160.07,14.94 180.53,14.94 184.16,11.31 186.24,11.31 186.57,10.98 190.68,10.98 192.59,9.07 192.59,3.63 190.68,1.72 187.27,1.72 186.95,2.05 184.87,2.05 184.54,2.38 182.47,2.38 182.14,2.7 180.06,2.7 179.73,3.03 177.66,3.03 177.33,3.36 175.25,3.36 174.92,3.68 172.85,3.68 J3.25 ; TP10.1 139.32,46.61 v1(158.5,46.61) 179.95,46.61 181.98,48.64 v1(188.98,48.64) 189.74,48.64 190.25,49.15 v1(206.38,49.15) ; 219.71,75.31 207.01,75.31 v1(206.38,75.95) U2.10 ; v1(156.97,90.3) v1(110.87,90.3) v1(85.47,90.3) v1(34.67,90.3)
  Bottom w0.127: J5.25 36.2,116.2 36.2,114.13 35.87,113.8 35.87,111.72 35.54,111.4 35.54,106.91 34.67,106.04 v1(34.67,90.3) ; v1(157.48,21.59) 157.48,41.28 158.5,42.29 v1(158.5,46.61) 158.5,48.89 156.97,50.42 v1(156.97,90.3) ; v1(206.38,75.95) v1(206.38,49.15) R2.2 ; J6.25 61.6,116.2 61.6,114.13 61.27,113.8 61.27,111.72 60.94,111.4 60.94,106.91 60.07,106.04 v1(60.07,90.3) ; J8.25 112.4,116.2 112.4,114.13 112.07,113.8 112.07,111.72 111.74,111.4 111.74,106.91 110.87,106.04 v1(110.87,90.3) ; J7.25 87,116.2 87,114.13 86.67,113.8 86.67,111.72 86.34,111.4 86.34,106.91 85.47,106.04 v1(85.47,90.3) ; v1(188.98,48.64) 188.98,53.21 189.67,53.9 189.67,55.88 189.99,56.21 189.99,58.29 U1.24 ; U10.9 v1(89.28,15.62)
/~{WR}: length 584.2
  Top w0.127: v1(156.46,20.57) 156.46,17.53 159.71,14.28 180.26,14.28 183.89,10.65 185.97,10.65 186.3,10.32 190.41,10.32 191.94,8.8 191.94,3.9 190.41,2.38 187.55,2.38 187.22,2.7 185.14,2.7 184.81,3.03 182.74,3.03 182.41,3.36 180.33,3.36 180,3.68 177.93,3.68 J3.29 ; v1(156.46,82.55) TP25.1 ; v1(217.42,49.66) v1(189.99,49.66) 182.07,49.66 180.04,47.62 v1(157.48,47.62) ; v1(156.46,29.21) 114.3,29.21 U11.8 ; U21.7 109.98,43.94 v1(108.59,43.94) ; U11.11 116.46,23.75 112.14,23.75 U11.8 ; U11.8 v1(108.59,27.3) ; v1(156.46,89.79) v1(110.36,89.79) v1(84.96,89.79) v1(34.16,89.79)
  Bottom w0.127: v1(156.46,20.57) v1(156.46,29.21) 156.46,41.28 157.48,42.29 v1(157.48,47.62) 157.48,49.4 156.46,50.42 v1(156.46,82.55) v1(156.46,89.79) ; v1(108.59,43.94) v1(108.59,27.3) ; v1(110.36,89.79) 110.36,106.04 111.41,107.1 111.41,111.53 111.74,111.86 111.74,113.94 112.07,114.26 112.07,116.34 112.4,116.67 112.4,118.74 J8.23 ; v1(84.96,89.79) 84.96,106.04 86.01,107.1 86.01,111.53 86.34,111.86 86.34,113.94 86.67,114.26 86.67,116.34 87,116.67 87,118.74 J7.23 ; v1(189.99,49.66) 189.99,53.21 191.78,54.99 ; J5.23 36.2,118.74 36.2,116.67 35.87,116.34 35.87,114.26 35.54,113.94 35.54,111.86 35.21,111.53 35.21,107.1 34.16,106.04 v1(34.16,89.79) ; v1(217.42,49.66) 217.42,55.75 217.93,56.26 217.93,86.23 U2.35 ; J6.23 61.6,118.74 61.6,116.67 61.27,116.34 61.27,114.26 60.94,113.94 60.94,111.86 60.61,111.53 60.61,107.1 59.56,106.04 v1(59.56,89.79)
Net-(Cl1-Pad1): length 18
  Bottom w0.127: 166.37,35.43 166.37,32.2 Y1.1 169.55,25.18 Rdl1.2
Net-(Cl2-Pad1): length 28.5
  Bottom w0.127: U13.1 163.32,36.83 162.56,36.07 162.56,27.28 Y1.2 166.37,23.47 166.37,20.23
Net-(J1-Pin_2): length 7.5
  In1.Cu w1: F1.1 221.8,20.32 J1.2
Net-(J3-Pin_40): length 10.2
  Bottom w0.15: RT_6.1 194.95,7.62 J3.40
Net-(J5-Pin_26): length 25.5
  Bottom w0.15: RT_2.1 46.99,124.46 J5.26
Net-(J6-Pin_26): length 25.5
  Bottom w0.15: J6.26 72.39,124.46 RT_3.1
Net-(J7-Pin_26): length 25.5
  Bottom w0.15: RT_4.1 97.79,124.46 J7.26
Net-(J8-Pin_26): length 25.5
  Bottom w0.15: J8.26 123.19,124.46 RT_5.1
Net-(J11-Pin_2): length 3.8
  Top w0.254: R17.2 J11.2
Net-(J12-Pin_2): length 3.8
  Top w0.254: R18.2 J12.2
Net-(J13-Pin_2): length 10
  Top w0.127: R6.1 201.94,21.59 U28.6
  Bottom w0.127: J13.2 R6.1
Net-(JP4-A): length 8.1
  Top w0.127: R12.2 227.58,36.86 227.58,39.08 JP4.1
Net-(JP4-B): length 17
  Top w0.127: R13.2 227.58,33.68 227.58,36.4 227.91,36.72 227.91,39.21 226.06,41.06 226.06,42.54 225.17,43.43 222.76,43.43 222.15,42.83 JP4.3
Net-(Q1-D): length 5.1
  Top w0.254: Q1.3 R18.1
Net-(Q1-G): length 5.6
  Top w0.127: R9.1 107.95,5.08 Q1.2
Net-(Q2-G): length 7
  Top w0.127: Q2.2 218.66,27.94 R10.2
Net-(Rdl1-Pad1): length 7.9
  Top w0.127: Rdl1.1 173.34,31.74
  Bottom w0.127: U13.3 U13.2
Net-(RT_1-Pad1): length 5.4
  Bottom w0.15: 173.34,29.22 RT_1.1
Net-(U2-~{RTXCA}): length 12.6
  Bottom w0.127: 204.23,72.77 Y2.2 200.64,66.71 Cl3.1
Net-(U2-~{SYNCA}): length 11.7
  Top w0.127: 204.47,75.31 201.98,72.82 Y2.1
  Bottom w0.127: Y2.1 200.68,74.1 Cl4.1
Net-(U7-C1+): length 5.4
  Top w0.254: Cb1.1 181.61,133.98
Net-(U7-C1-): length 16.4
  Top w0.254: U7.3 176.02,128.27 174.37,129.92 174.37,136.37 Cb1.2
Net-(U7-C2+): length 3.2
  Top w0.254: U7.4 178.44,125.73
Net-(U7-C2-): length 7.1
  Top w0.254: Cb2.2 175.8,124.3 176.91,123.19 U7.5
Net-(U7-VS+): length 3.2
  Top w0.254: U7.2 178.44,130.81
Net-(U7-VS-): length 7.1
  Top w0.254: U7.6 176.91,120.65 175.8,119.54 Cb4.2
Net-(U9-1Y): length 2.5
  Top w0.127: U9.4 U9.3
Net-(U10-3B): length 2.5
  Top w0.127: U10.11 U10.10
Net-(U12-Pad3): length 2.5
  Top w0.127: U12.3 U12.4
Net-(U12-Pad13): length 11.6
  Top w0.127: U12.9 86.87,27.18 93.47,27.18 U12.13
Net-(U28A-CV): length 5.7
  Top w0.127: CV1.1 200.75,31.75 U28.3
Net-(U28A-DIS): length 13.5
  Top w0.127: 200.66,34.29 U28.2 U28.1 ; 204.47,36.83 CT1.1
Net-(U28B-CV): length 5.9
  Top w0.127: CV2.1 214.08,31.19 U28.11

## Copper pours and planes (outline as drawn; the poured copper is in the pictures)
+5V on In1.Cu: 0,158.75 198.76,158.75 198.76,129.54 228.6,129.54 228.6,28.57 214,28.57 214,12.06 203.2,12.06 203.2,0 0,0
GND on In2.Cu: 0,158.75 198.76,158.75 198.76,133.98 204.47,133.98 204.47,129.54 217.81,129.54 217.81,158.75 228.6,158.75 228.6,0 0,0

## Text on the board
F.Silkscreen: A0 | A1 | A2 | A3 | A4 | A5 | A6 | A7 | A8 | A9 | A10 | A11 | A12 | A13 | ~{ACK} | ACK | GND | CLk | ~{PE0} | ~{INT} | IEI1 | ~{PE1} | IEI2 | ~{PE2} | IEI3 | ~{PE3} | IEI4 | 00-1F | 20-3F | 40-5F | 60-7F | A14 | A15 | ~{M1} | IEI0 | ~{RESET} | Rp0-7 / = 22k | Rp32-35 / = 22k | Rp36-39 / = 22k | Rp40-43 / = 22k | Rp44-47 / = 22k | Rp24-31 / = 22k | B | A | +5V | Rp8-15 / = 22k | Rp16-23 / = 22k | D0 | D1 | D2 | D3 | D4 | D5 | D6 | D7 | ~{MREQ} | ~{RFSH} | ~{NMI} | 16MHz | ~{RD} | ~{WR} | ~{WAIT} | ~{IORQ} | By Thomas Combe | Z80 Computer V2.1 | RS-232 | RS-485
